# KiCad board FrontEnd_5G.kicad_pcb (continued)
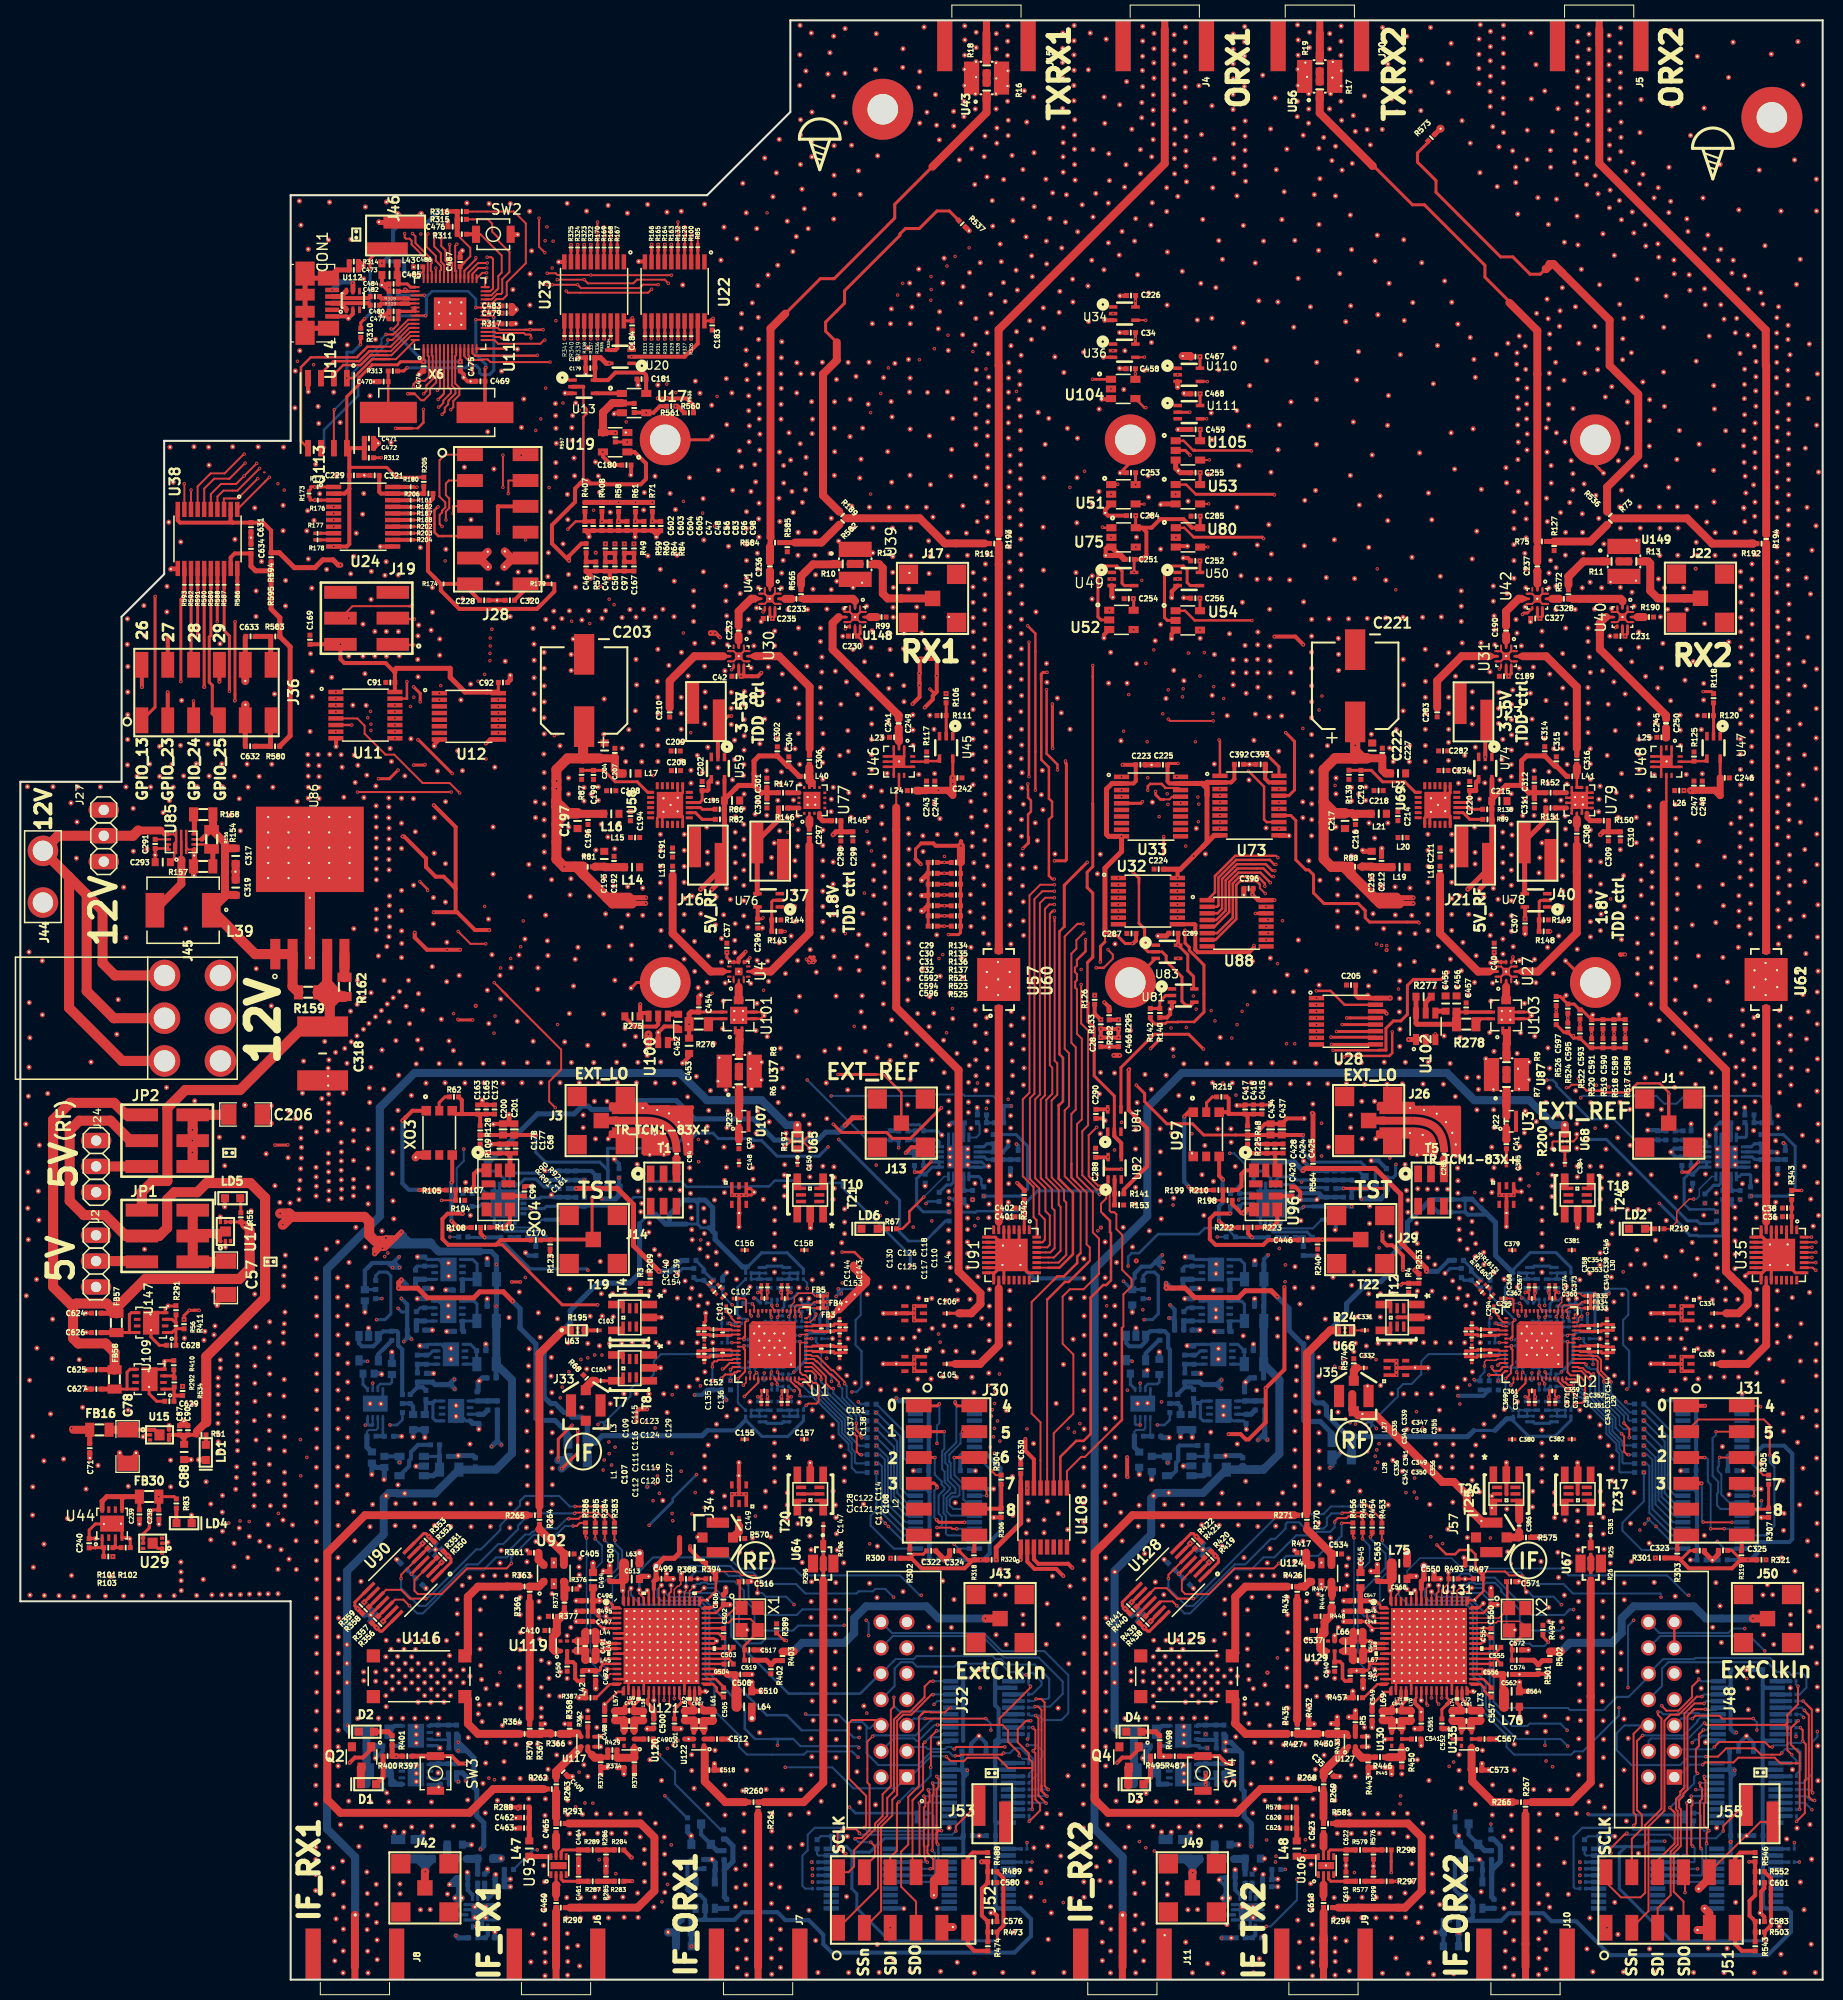
[diagram p0: board, top side]
## Routing (per net, layer and track width the routed paths; a pad name or vN(x,y) marks a point on that pad's centre or on a via; arc(x,y) is an arc through that point) (continued)
+1.8V_#1: length 130.4
  F.RO w0.3: v2(54.23,54.49) 52.88,53.14 v2(52.88,51.07) ; v2(54.79,53.94) 54.79,51.78 53.24,50.23 v2(53.22,50.23)
  F.FR4 w0.15: 75.06,60.65 75.37,60.96 ; 75.06,60.65 75.37,60.96 ; 75.06,60.65 75.06,60.33 ; 75.37,60.96 76.23,60.96
  F.FR4 w0.2: 74.98,60.28 73.06,60.28 72.72,60.62 ; 75.06,60.33 75.06,60.65 ; 79.03,61.39 78.9,61.51 76.9,61.51 76.35,60.96 76.23,60.96 ; 79.03,61.39 79.04,61.37 ; 79.03,61.39 79.03,61.31 v2(79.26,61.08)
  F.FR4 w0.25: 69.95,61.47 70.86,61.47 71.71,60.62 72.43,60.62 ; 72.43,60.62 72.72,60.62 ; 72.43,60.62 72.46,60.65 75.02,60.65 ; 75.02,60.65 75.06,60.65 ; 75.02,60.65 75.39,61.02 76.26,61.02 76.75,61.51 77.52,61.51
  F.FR4 w0.3: 69.95,61.47 69.1,62.32 v2(69.1,65.06)
  B.FR4 w0.2: v2(79.74,58.81) 79.26,59.29 v2(79.26,61.08) 79.26,62.65 77.59,64.32 73.74,64.32 73.32,64.74 72.4,64.74 71.37,63.71 70.37,63.71
  B.FR4 w0.25: 70.37,63.71 69.38,63.71 68.8,64.29 68.8,64.76 v2(69.1,65.06)
  B.FR4 w0.4: 53.93,61.28 50.83,64.38 46.85,64.38 45.07,66.16 43.96,66.16 43.18,66.94 41.09,66.94 40.39,66.24 40.39,66.16 38.24,66.16 v2(37.45,66.95) ; 53.93,61.28 v2(53.93,59.75) ; 53.93,61.28 53.93,60.96 ; 53.93,60.96 v2(54.75,60.14) ; 53.93,60.96 v2(55.1,60.96) ; 56.46,60.16 56.46,59.56 55.75,58.85 53.77,58.85 52.45,60.17 51.61,60.17 50.68,61.1 49,61.1 45.01,65.09 43.29,65.09 42.6,64.4 41.49,64.4 40.87,65.02 40.87,65.09 38.03,65.09 v2(37.13,65.99) ; 56.46,60.16 56.46,60.76 ; 56.46,60.16 57.17,60.87 v2(57.17,61.39) ; 56.46,60.76 v2(56.46,61.4) ; 56.46,60.76 56.13,60.76 v2(55.77,61.12) ; 53.1,58.41 51.46,58.41 50.29,59.58 49.6,59.58 46.65,62.53 46.65,62.52 46.65,62.69 45.82,63.52 45.02,63.52 44.45,62.95 v2(38.45,62.95) 38.22,62.72 v2(37.69,62.72) ; 53.1,58.41 v2(53.27,58.24) ; 53.1,58.41 53.1,57.22 v2(53.07,57.19)
  B2.RO w0.15: 78.73,61.61 78.73,60.31
  B2.RO w0.2: 69.52,63.78 69.2,63.78 68.95,64.03 68.95,64.91 69.09,65.05 ; 78.73,60.31 79.74,59.3 v2(79.74,58.81)
  B2.RO w0.3: v2(37.13,65.99) 37.49,65.63 38.03,65.63
  B2.RO w0.4: v2(37.69,62.72) 38.03,63.06 R53.2 ; v2(38.45,62.95) 38.03,63.37 R53.2 ; v2(37.45,66.95) 38.03,66.37 R53.2
  B2.RO w0.79: v2(52.88,51.07) 52.89,51.06 R98.2 53.84,50.85 v2(53.22,50.23)
+1.8V_#2: length 91.3
  F.FR4 w0.2: 154.6,60.47 v2(154.6,60.49)
  F.FR4 w0.25: v2(144.55,65.06) 144.25,65.06 143.91,64.72 143.91,64.21 144.42,63.7 146.75,63.7 147.12,64.07 147.12,64.16 147.71,64.75 148.48,64.75 148.96,64.27 150.7,64.27 151.31,63.66 151.31,62.29 151.69,61.91 153.5,61.91 154.6,60.81 154.6,60.47
  F.FR4 w0.3: v2(130.15,60.83) 131.54,60.83 131.96,61.25 v2(132.08,61.25)
  B.FR4 w0.3: v2(130.26,55.13) 130.26,56.33 129.81,56.78 129.81,59.05 ; v2(130.71,54.74) 130.7,54.75 130.7,59.05 ; v2(131.25,54.61) 131.25,59.76 132.32,60.83 ; v2(132.08,61.25) 132.08,60.98 132.55,60.51 132.77,60.51
  B.FR4 w0.4: v2(113.02,66.31) 113.22,66.11 116.09,66.11 116.46,66.48 118.3,66.48 118.67,66.11 120.65,66.11 122.44,64.32 122.44,64.31 122.63,64.12 126.95,64.12 128.46,62.61 128.46,62.07 129.28,61.25 ; 129.28,61.25 129.28,61.25 ; 129.28,61.25 129.27,61.25 ; v2(129.2,60.28) 129.2,61.18 129.27,61.25 ; 129.27,61.25 129.68,60.84 ; v2(129.72,60.15) 129.72,60.8 129.68,60.84 ; 129.68,60.84 129.69,60.83 v2(130.15,60.83) ; v2(112.91,65.03) 115.89,65.03 116.54,64.38 118.04,64.38 118.69,65.03 120.62,65.03 120.62,64.91 124.47,61.06 126.01,61.06 126.74,60.33 127.68,60.33 128.96,59.05 132.52,59.05 132.77,59.3 132.77,60.3 ; 132.32,60.83 132.77,60.38 132.77,60.3 ; 132.77,60.3 132.77,60.51 132.77,60.44 v2(133.27,60.94) ; 132.77,60.3 v2(132.77,61.13)
  B2.RO w0.1: 144.4,64.91 144.41,64.92 FB37.1
  B2.RO w0.2: v2(144.55,65.06) 144.4,64.91 144.4,64.04 144.65,63.79 144.98,63.79 ; v2(154.6,60.49) 154.6,60.47 154.6,61.35 154.33,61.62 FB42.2
  B2.RO w0.4: v2(113.02,66.31) 113.47,65.86 113.47,64.73 113.17,65.03 v2(112.91,65.03)
  B2.RO w0.5: R404.2 113.47,64.73 ; v2(128.74,50.33) 128.94,50.53 R533.2 129.29,51.33 v2(129.8,51.84)
+1.8V_PLL_#1: length 147.3
  F.RO w0.3: v2(72.11,66.99) 72.11,66.99 ; v2(48.3,68.58) v2(49.15,68.58)
  F.FR4 w0.2: 80.18,67.14 79.81,66.77 79.81,65.51 79.64,65.34 78.93,65.34 v2(78.8,65.47) 78.8,68.64 78.02,69.42 ; v2(81.74,57.77) 80.95,57.77 80.76,57.58 77.51,57.58 77.21,57.88 v2(76.07,57.88) ; 70.71,67.32 71.04,66.99 v2(72.11,66.99)
  F.FR4 w0.25: 49.13,69.53 v2(49.64,69.02) 49.13,69.53 ; 49.13,69.53 45.85,69.53 45.98,69.53 44.23,71.28 ; 80.41,67.88 80.41,67.88
  F.FR4 w0.3: 78.02,69.42 76.22,69.42 75.52,68.72 73.46,68.72 73.08,69.1 71.61,69.1 70.71,68.2 ; 40.02,68.58 38.42,68.58 37.43,69.57 36.99,69.57 v2(36.58,69.98) ; 40.02,68.58 39.76,68.84 39.76,69.07 ; 40.02,68.58 v2(48.3,68.58) ; 66.67,72.49 66.24,72.06 65.13,72.06 64.3,72.89 61.39,72.89 61.04,72.54 61.04,72.44 ; 66.67,72.49 66.69,72.51 ; 66.67,72.49 66.67,72.5 v2(66.88,72.71) ; 40.22,69.49 40.56,69.83 44.6,69.83 44.79,69.65 ; v2(37.28,69.99) 37.28,70.99 v2(37.23,71.04) 37.53,70.74 37.53,70.24 ; v2(37.28,69.99) 36.59,69.99 v2(36.58,69.98) ; v2(37.28,69.99) 37.6,70.31 37.96,70.31 ; v2(37.28,69.99) 37.53,70.24 ; 37.53,70.24 37.53,70.31 ; 39.72,68.81 38.51,68.81 37.56,69.76 36.8,69.76 v2(36.58,69.98) ; 80.41,67.37 v2(80.19,67.15) 80.46,67.42 v2(80.71,67.42) 80.41,67.73 v2(80.41,67.9) 80.41,67.37
  F.FR4 w0.4: 48.66,69.07 v2(49.15,68.58) ; 48.66,69.07 45.36,69.07 44.79,69.65 ; 48.66,69.07 v2(49.15,68.58) ; v2(49.15,68.58) 49.16,68.58 ; v2(49.15,68.58) 49.16,68.58 ; v2(49.64,69.02) 49.2,68.58 49.16,68.58 ; 40.22,69.49 39.8,69.07 38.62,69.07 37.7,69.99 v2(37.28,69.99) ; 70.71,68.2 70.71,67.32 ; 80.41,67.88 80.07,67.88 79.39,68.56 78.8,68.56 78.79,68.55 78.79,68.65 ; v2(37.23,71.04) 37.96,70.31
  F.FR4 w0.5: 61.04,72.44 51.84,72.44 49.64,70.24 v2(49.64,69.02) ; 44.23,71.28 40.38,71.28 39.41,70.31 37.96,70.31
  B.FR4 w0.3: v2(66.88,72.71) 66.66,72.93 66.66,73.82 66.79,73.95 67.5,73.95 67.67,73.78 67.88,73.78 67.88,73.07 68.07,73.07 69.36,71.78 69.36,70.31 68.72,69.67 68.72,69.38 71.11,66.99 v2(72.11,66.99)
  B2.RO w0.2: 75.51,58.29 75.87,57.93 ; 82.69,61.79 82.1,62.37 82.1,64.83 82.61,65.33 82.61,67.64 82.36,67.89 80.4,67.89 ; 82.69,61.79 82.69,58.25 82.21,57.77 ; 82.69,61.79 82.69,58.25 82.21,57.77 ; 82.21,57.77 v2(81.74,57.77) 82.21,57.77 ; 80.2,67.16 80.18,67.14 ; v2(76.07,57.88) 75.94,57.88 FB13.2
  B2.RO w0.25: v2(78.8,65.47) 78.6,65.27 FB1.1 ; 80.89,67.89 80.71,67.71 v2(80.71,67.42)
  B2.RO w0.3: 80.4,67.89 80.4,67.9 ; 80.4,67.9 80.7,67.59 80.7,67.41 ; 80.4,67.9 80.4,67.36 80.2,67.16 ; v2(72.11,66.99) 72.27,66.99 72.74,66.52 ; 78.59,64.92 78.59,64.32 ; R40.1 33.87,67.83 C86.1 ; v2(80.19,67.15) 80.46,67.42 v2(80.71,67.42)
  B2.RO w0.4: 34.23,70.07 33.86,69.7 C86.1 ; 34.23,70.07 34.14,69.98 34.6,70.44 ; 34.23,70.07 34.6,70.44 ; 36.84,70.43 36.73,70.54 v2(37.23,71.04) ; 36.84,70.43 36.84,70.44 36.66,70.44 ; 36.84,70.43 v2(37.28,69.99) 37.28,70 ; 34.6,70.44 36.66,70.44 ; 34.6,70.44 36.12,70.44 36.57,69.99 ; 36.66,70.44 36.66,70.26 36.92,70 37.28,70 ; 36.57,69.99 37.27,69.99 37.28,70 ; 36.57,69.99 v2(36.58,69.98)
+1.8V_PLL_#2: length 168.2
  F.RO w0.25: v2(157.93,58.03) 157.93,58.04
  F.RO w0.3: 134.88,72.18 134.59,72.18
  F.RO w0.4: 134.88,72.18 135.91,71.15 v2(135.91,69.76) ; v1(133.9,73.46) 133.9,72.61 134.33,72.18 134.81,72.18 ; v2(118.77,53.62) 119.95,53.62 120.47,53.1 120.74,53.1 122.42,54.78 v2(122.42,58.13) 124.26,59.97 v2(124.26,68.08)
  F.FR4 w0.2: v2(155.64,67.15) 155.27,66.78 155.27,65.82 154.91,65.46 v2(154.06,65.46) ; v2(157.93,58.03) 157.95,58.06 157.92,58.09 153.59,58.09 153.45,57.95 152.46,57.95 v2(152.01,57.5)
  F.FR4 w0.3: 113.95,67.58 113.59,67.22 111.92,67.22 111.46,67.68 108.82,67.68 108.45,68.05 108.45,68.66 108.45,68.65 v2(108.44,68.65) ; 135.73,68.99 132.58,68.99 130.88,67.29 125.02,67.29 ; 135.73,68.99 137.13,68.99 137.25,68.87 138.6,68.87 139.76,70.03 142.81,70.03 144.44,68.4 145.45,68.4 146.22,67.63 ; 135.73,68.99 135.91,69.17 ; 146.22,67.63 146.22,68.2 147.08,69.06 148.05,69.06 148.47,68.64 149.66,68.64 150.45,69.43 153.48,69.43 154.37,68.55 154.42,68.6 ; 146.22,67.63 146.84,67.01 ; 146.22,67.63 146.84,67.01 ; 146.84,67.01 v2(147.57,67.01) 146.84,67.01 ; v2(155.86,67.91) 156.16,67.61 v2(156.16,67.41) 155.9,67.15 v2(155.64,67.15) 155.86,67.37 v2(155.86,67.91) ; v2(155.86,67.91) 155.28,68.49 154.42,68.49 154.42,68.6 ; v2(154.06,65.46) 154.06,68.24 154.42,68.6
  F.FR4 w0.4: 125.02,67.29 123.78,66.05 120.48,66.05 119.73,66.8 115.8,66.8 115.02,67.58 113.95,67.58 ; 135.91,69.17 v2(135.91,69.76)
  B.FR4 w0.4: v2(112.25,69.89) 112.56,69.58 112.86,69.58 113.85,68.59 114.13,68.59 115.65,67.07 120.5,67.07 121.13,67.7 123.88,67.7 v2(124.26,68.08) 124.32,68.14 v2(124.32,68.6) ; v2(112.25,71.23) 113.18,71.23 114.72,69.69 115.77,69.69 115.77,69.91 116.8,70.94 118.84,70.94 120.09,69.69 123.79,69.69 v2(124.36,70.26) 124.36,68.64 v2(124.32,68.6) ; v2(112.39,70.53) 113.06,70.53 114.56,69.03 116.58,69.03 116.58,68.98 116.79,68.77 124.15,68.77 v2(124.32,68.6)
  B2.RO w0.1: v2(154.06,65.46) 154.05,65.45 FB31.1 FB32.1
  B2.RO w0.2: 158.15,58.26 158.15,61.8 157.56,62.39 157.56,64.84 158.06,65.34 158.06,67.66 157.81,67.91 v2(155.86,67.91) ; 158.15,58.26 v2(157.93,58.03) 158.15,58.26 ; v2(152.01,57.5) 152.01,57.98 151.69,58.3 FB43.2 150.97,58.3
  B2.RO w0.25: 155.86,67.9 v2(155.86,67.91)
  B2.RO w0.3: v2(147.57,67.01) 147.72,67.01 FB38.2 ; 155.85,67.9 v2(155.86,67.91) 155.85,67.9 ; 155.85,67.9 155.85,67.36 v2(155.64,67.15) 155.9,67.41 v2(156.16,67.41) 156.16,67.6 155.86,67.9 ; v2(154.06,65.46) 154.05,65.45 154.05,64.32 ; R568.1 109.31,67.83 C617.1 109.27,67.82 v2(108.44,68.65) ; 109.3,68.72 109.3,68.79
  B2.RO w0.4: v2(112.39,70.53) 112.36,70.56 111.57,70.56 111.58,70.56 ; 111.58,70.56 111.64,70.5 ; 111.58,70.56 v2(112.25,71.23) ; 111.64,70.5 111.64,70.6 111.12,70.08 110.2,70.08 109.54,69.42 109.54,68.96 109.3,68.72 C617.1 ; 111.64,70.5 v2(112.25,69.89)
+1.8V_SC1905_#1: length 151.7
  F.RO w0.15: 56.93,35.58 56.93,36.22 ; 57.18,30.86 57.18,31.2 57.52,31.54 U121.11
  F.RO w0.2: 56.75,35.72 57.33,35.14 57.76,35.14 57.86,35.04 U121.4 ; 56.93,36.22 56.93,35.58
  F.RO w0.25: C506.2 69.12,36.8 68.36,36.04 U121.47 ; 56.94,30.38 56.6,30.38 C492.1 ; 56.94,30.38 55.91,30.38 55.89,30.38 ; 56.94,30.38 57.02,30.46 57.02,30.7 57.18,30.86 ; 56.93,37.23 57.82,37.23 58.19,36.86 58.19,36.54 U121.1 ; 61.65,27.45 61.65,27.57 61.77,27.69 61.77,28.4 U121.22 ; 56.75,35.72 56.75,36.02 56.94,36.21 56.93,36.22 ; U121.11 57.52,31.54 57.18,31.2 57.18,31.04 U121.12
  F.RO w0.4: 62.28,26.58 62.24,26.58 61.65,27.17 61.65,27.45
  F.RO w0.5: C500.1 62.27,25.63
  F.RO w0.51: C506.2 69.17,36.86 69.75,36.86 ; C492.1 56.48,30.38 55.33,30.38 L42.1 ; C496.2 56.3,37.17 56.3,36.29 C495.1 56.93,36.22 ; C496.2 56.3,37.31 56.3,38.51 C494.2 ; C496.2 56.92,37.24 56.93,37.23 ; 62.27,25.63 62.27,26.31 62.28,26.32 62.28,26.58
  F.RO w0.76: 71.91,25.69 71.9,25.7 L64.1
  F.RO w0.79: L63.1 60.88,40.94 60.88,41.93
  B.FR4 w0.15: 55.91,30.38 55.91,35.32 56.81,36.22 56.93,36.22
  B.FR4 w0.4: 56.81,36.22 56.93,36.22 56.93,37.24
  B.FR4 w0.5: 62.89,25.69 62.04,26.54 59.85,26.54 ; 54.89,28.87 55.39,29.37 57.02,29.37 57.67,28.72 ; 45.24,8.71 43.94,7.41 43.94,6.61 42.82,5.49 v2(42.82,4.33) ; 45.24,8.71 v2(45.24,12.82) 45.24,8.71
  B.FR4 w0.79: 59.85,26.54 57.67,28.72 ; 56.6,36.01 56.6,36.91 56.94,37.25 ; 56.6,36.01 56.81,36.22 ; 56.6,36.01 56.38,35.8 56.63,35.55 56.63,36.04 55.91,35.32 55.91,29.89 53.94,27.92 53.94,26.99 53.93,26.99 52.6,25.66 52.6,24.94 ; 69.75,36.86 69.75,36.89 69.17,37.47 69.02,37.47 68.71,37.78 68.71,37.79 68.28,38.22 68.28,39.41 67.11,40.58 65.62,40.58 64.95,41.25 64.95,41.93 ; 52.6,24.94 52.6,24.9 ; 52.6,24.94 52.6,24.2 52.57,24.17 ; 43.59,22.35 43.19,22.35 v2(43.04,22.5) 43.04,23.32 v2(43.05,23.33) ; 43.59,22.35 43.59,22.79 v2(43.05,23.33) ; 43.59,22.35 44.93,22.35 44.03,22.35 v2(43.05,23.33) ; 63.26,25.69 62.8,25.69 62.21,26.28 60.14,26.28 59.88,26.54
  B.FR4 w1: 69.77,26.7 69.77,36.84 69.75,36.86 ; 69.77,26.7 69.42,26.35 ; 69.77,26.7 68.76,25.69 68.75,25.69 ; 68.75,25.69 62.89,25.69 ; 68.75,25.69 71.91,25.69 ; 56.94,37.25 56.94,38.1 58.86,40.02 58.86,41.36 59.43,41.93 64.95,41.93 ; 48.12,22.17 48,22.29 ; 48.12,22.17 47.93,22.36 46.68,22.36 46.67,22.35 44.93,22.35 ; 48.12,22.17 51.48,22.17 51.79,22.48 51.79,24.14 51.85,24.2 52.6,24.2
  B2.RO w0.5: v2(43.05,23.33) 43.05,23.95 R47.2 42.88,22.66 v2(43.04,22.5) 43.09,22.5 ; v2(43.05,23.33) 44.15,22.23 ; v2(43.05,23.33) 43.09,23.29 43.09,22.5 ; v2(42.82,4.33) 43.04,4.11 R398.2 ; 44.15,22.23 44.59,21.79 44.59,18.9 44.87,18.62 44.87,16.1 45.56,15.41 45.56,13.14 v2(45.24,12.82) ; 44.15,22.23 43.88,22.5 43.09,22.5
+1.8V_SC1905_#2: length 136.4
  F.RO w0.2: U131.4 132.93,35.04 132.38,35.59 132.38,36.22
  F.RO w0.25: 137.09,27.45 137.09,27.58 137.22,27.71 U131.22 ; C560.2 144.57,36.8 143.81,36.04 U131.47 ; 132.38,37.24 133.26,37.24 133.66,36.84 133.66,36.54 U131.1 ; 132.63,31.05 132.63,31.2 132.97,31.54 U131.11 ; 132.63,31.05 133.11,31.05 133.12,31.04 U131.12 ; 132.63,31.05 132.63,30.89 132.59,30.85 132.59,30.59 132.38,30.38 132.04,30.38 C543.1 ; 147.37,25.69 147.37,26.8
  F.RO w0.4: 137.71,26.32 137.71,26.56 137.09,27.18 137.09,27.45
  F.RO w0.51: C560.2 144.63,36.85 145.21,36.85 ; C547.2 131.74,37.3 C545.2 ; C547.2 132.38,37.24 ; C547.2 131.75,37.17 131.75,36.28 C546.1 ; 131.68,36.23 C546.1 ; C546.1 132.38,36.22 ; C543.1 131.95,30.37 130.78,30.37 L65.1 ; 137.71,26.56 C551.1
  F.RO w0.76: 147.37,26.8 L76.1 ; 136.32,41.94 136.32,40.94 L75.1
  B.FR4 w0.4: 128.04,24.94 127.45,24.35 127.45,24.13 ; 132.04,35.88 132.38,36.22 132.38,37.24
  B.FR4 w0.5: 130.83,29.37 132.46,29.37 133.11,28.72 ; 143.72,38.21 145.08,36.85 145.21,36.85 ; 128.04,25.56 128.04,24.94 ; 118.62,22.36 118.48,22.5 118.48,23.32 118.49,23.33 119.46,22.36 ; 132.04,37.02 132.42,37.02 132.63,37.23 ; v2(121,13.11) 120.99,13.11 120.44,12.56 120.44,8.49 117.66,5.71 117.66,4.16 117.73,4.09 v2(118.1,4.09)
  B.FR4 w0.79: 136.32,41.94 140.4,41.94 140.4,41.25 141.07,40.58 142.55,40.58 143.72,39.41 143.72,38.21 144.46,37.47 144.59,37.47 145.21,36.85 ; 128.04,24.94 128.04,24.19 128.04,25.65 ; 128.04,25.65 129.51,27.12 129.37,27.26 129.37,27.9 129.6,28.13 129.6,28.14 131.36,29.9 131.36,35.33 132.04,36.01 132.04,35.7 ; 128.04,25.65 128.04,25.56 ; 137.71,26.32 137.49,26.54 135.29,26.54 133.11,28.72 ; 132.04,35.7 132.04,35.88 ; 132.04,35.7 132.04,37.02 132.38,37.36 132.38,37.24 132.38,38.1 ; 127.29,24.19 127.23,24.13 127.45,24.13 ; 118.62,22.36 120.37,22.36 119.46,22.36
  B.FR4 w1: 132.38,38.1 133.7,39.42 133.7,39.43 135.29,41.02 135.29,41.94 136.32,41.94 ; 137.71,26.32 138.34,25.69 144.2,25.69 ; 144.2,25.69 145.21,26.7 145.21,36.85 ; 144.2,25.69 147.37,25.69 ; 127.23,24.13 127.23,22.49 126.91,22.17 123.56,22.17 123.37,22.36 120.37,22.36 ; 127.29,24.19 128.04,24.19
  B2.RO w0.4: R499.2 119.5,4.1 119.04,4.1
  B2.RO w0.5: v2(118.1,4.09) 118.11,4.1 119.04,4.1 ; 119.75,22.56 120.06,22.26 120.06,18.75 120.31,18.5 120.31,16.02 121.01,15.32 121.01,13.12 v2(121,13.11) ; 119.75,22.56 119.69,22.5 118.48,22.5 118.32,22.66 R348.2 118.49,23.95 118.49,23.33 118.99,23.33 119.75,22.56
+1.25V_PLL_#1: length 131.8
  F.RO w0.2: v2(73.13,59.63) 73.12,59.63 73.12,59.63
  F.RO w0.3: FB3.1 FB5.1 79.31,67.21 79.33,67.23 v2(79.33,67.41) ; FB3.1 FB4.1 79.33,66.61 v2(79.33,66.61) ; FB3.1 v2(79.33,66.01)
  F.RO w0.4: v2(61.61,56.06) 60.83,56.06 60.58,55.81 v2(60.58,54.81)
  F.FR4 w0.2: 62.56,55.89 62.53,55.89
  F.FR4 w0.25: 65.31,60.92 70.28,60.92 70.98,60.22 72.52,60.22 72.83,59.91 ; 72.83,59.91 72.83,59.91 73.11,59.63 v2(73.13,59.63) ; 72.83,59.91 73.12,59.62
  F.FR4 w0.4: 65.31,60.92 62.56,58.17 62.56,56.87 ; v2(62.4,54.22) 62.56,54.38 62.56,56.87 ; 62.53,55.89 v2(61.43,54.79) ; 62.56,56.87 61.75,56.06 v2(61.61,56.06)
  B.FR4 w0.2: v2(62.43,48.76) 63.28,49.61 63.28,51.74 63.17,51.85 ; v2(60.58,54.81) 59.6,53.83 59.6,51.56 61.63,49.53 v2(61.63,48.44)
  B.FR4 w0.25: v2(76.03,59.71) 76.01,59.69 76.01,59.33 75.71,59.03 73.5,59.03 73.13,59.4 v2(73.13,59.63)
  B.FR4 w0.4: v2(61.43,54.79) 60.37,53.73 60.37,51.69 61.8,50.26 v2(62.49,50.26) 62.51,50.28 ; 63.27,49.61 62.73,49.61 v2(62.63,49.51) 62.64,49.51 ; 63.27,49.61 63.27,49.31 ; 63.27,49.61 63.28,49.61 ; 63.17,50.94 63.17,51.85 62.4,52.62 v2(62.4,54.22) ; 63.17,50.94 63.27,50.84 63.27,49.31 ; 63.17,50.94 62.51,50.28 ; 63.27,49.31 62.72,48.76 62.42,48.76 ; 63.27,49.31 63.07,49.51 62.64,49.51 ; 62.51,50.28 62.51,49.62 62.64,49.49 ; 62.64,49.49 62.64,49.51 ; 62.64,49.49 62.64,49.01 62.42,48.79 ; 62.42,48.79 62.42,48.76 ; 62.42,48.79 62.42,49.22 62.26,49.38 62.26,49.48 ; 62.42,48.76 v2(62.43,48.76) ; v2(60.58,54.81) 59.6,53.83 59.6,51.24 61.63,49.21 v2(61.63,48.44)
  B.FR4 w0.5: v2(62.63,49.51) 62.6,49.48 61.56,49.48 ; 61.56,49.48 59.81,49.48 59.18,48.85 55.36,48.85 54.73,49.48 49.11,49.48 47.27,51.32 v2(47.27,52.56) ; 61.56,49.48 61.71,49.48 ; 61.71,49.48 v2(62.49,50.26) ; 61.71,49.48 v2(62.43,48.76) ; 60.42,47.73 48.33,47.73 46.33,49.73 v2(46.33,52.4) ; 60.42,47.73 61.54,47.73 ; 60.42,47.73 60.92,47.73 v2(61.63,48.44) ; v2(62.82,47.8) 62.75,47.73 61.54,47.73 ; 61.54,47.73 61.55,47.73 v2(62.2,47.08)
  B2.RO w0.15: 75.5,59.52 75.82,59.52 76.02,59.72 ; 73.12,59.62 73.1,59.59 73.1,58.92
  B2.RO w0.2: 75.79,66.91 76.35,67.48 79.28,67.48 ; 75.5,58.92 75.5,59.52 ; 74.29,65.72 74.51,65.72 74.59,65.79 74.91,65.79
  B2.RO w0.25: 79.32,67.43 79.28,67.48 ; 75.79,66.91 75.4,66.91 75.08,66.6 75.08,66.6 75.08,66.12 74.92,65.96 FB10.2
  B2.RO w0.3: 76.02,59.7 76.47,60.15 ; 76.47,60.15 76.47,60.15 76.03,59.71 v2(76.03,59.71) ; 76.47,60.15 77.2,60.88 77.2,63.18 77.57,63.55 79.1,63.55 79.32,63.77 79.32,67.45 79.32,67.4 ; 46.89,52.96 46.89,53.81
  B2.RO w0.5: 46.89,52.96 v2(46.33,52.4) ; v2(47.27,52.56) 46.89,52.94 R50.2 ; v2(61.63,48.44) 61.63,48.45
+1.25V_PLL_#2: length 113.9
  F.RO w0.25: v2(154.78,67.44) 154.77,67.43 ; 154.77,67.24 154.75,67.22
  F.RO w0.3: 154.77,67.43 154.77,67.24 ; 154.75,67.22 154.36,67.22 154.36,66.96 154.36,66.96 FB33.1 v2(154.79,66.01) ; v2(154.77,66.61) 154.79,66.61 154.37,66.61 FB34.1
  F.FR4 w0.2: 137.85,55.66 137.85,58.01 138.02,58.18 ; v2(151.48,59.73) 150.79,59.04 148.97,59.04 148.58,59.43 v2(148.58,59.63)
  F.FR4 w0.3: 147.28,60.93 147.72,60.49 150.1,60.49 150.86,59.73 v2(151.48,59.73)
  F.FR4 w0.4: 146.78,60.93 147.28,60.93 v2(148.58,59.63) ; 138.02,58.18 140.77,60.93 142.43,60.93 ; 137.85,55.66 v2(137.85,54.23) ; 137.85,55.66 137.95,55.76 137.95,58.11 ; 137.85,55.66 136.98,54.79 v2(136.87,54.79) ; 137.85,56.44 v2(137.24,55.83)
  F.FR4 w0.5: 142.43,60.93 142.99,61.49 146.08,61.49 146.64,60.93 146.78,60.93
  B.FR4 w0.2: v2(136.87,54.79) 136.87,50.67 137.42,50.12 137.42,49.33 137.39,49.3 v2(137.06,49.3) ; v2(137.27,47.33) 138,48.06 138,48.62 137.85,48.77 v2(137.85,54.23) ; v2(136.89,49.9) 135.51,51.28 135.51,55.04 136.3,55.83 v2(137.24,55.83)
  B.FR4 w0.3: v2(136.89,49.9) 136.31,49.32 136.31,49.4 136.31,49.3 ; v2(137.03,47.92) 136.44,47.33 136.3,47.33 ; v2(136.21,47.88) 135.66,47.33 135.51,47.33 ; v2(122.59,53.06) 122.59,53.02
  B.FR4 w0.5: 122.59,53.02 124.44,51.17 129.4,51.17 131.27,49.3 v2(137.06,49.3) ; v2(137.27,47.33) 130.8,47.33 128.71,49.42 124.38,49.42 121.67,52.13 v2(121.67,53.04)
  B2.RO w0.15: v2(151.48,59.73) 151.28,59.53 FB45.2 ; v2(148.58,59.63) 148.56,59.61 FB36.1
  B2.RO w0.2: FB45.2 FB44.2
  B2.RO w0.25: v2(154.78,67.44) 154.73,67.49 151.93,67.49 151.21,66.77 150.7,66.77 150.37,66.44 150.37,66.37 ; 150.37,66.37 FB40.2 150.41,65.74 FB39.2 ; 150.37,66.37 150.37,65.81
  B2.RO w0.3: 122.33,53.92 122.33,53.7 ; v2(151.48,59.73) 152.63,60.88 152.63,63.27 153.02,63.66 154.54,63.66 154.79,63.91 v2(154.79,66.01) 154.79,66.59 v2(154.77,66.61) 154.78,66.62 v2(154.78,67.44)
  B2.RO w0.5: 122.33,53.7 v2(121.67,53.04) ; v2(122.59,53.06) 122.33,53.32 R571.2
+1.33V_#1: length 32
  F.RO w0.5: v2(48.39,66.69) 47.47,67.61 45.16,67.61 44.57,67.02 40.01,67.02 39.06,67.97 37.2,67.97 ; 37.2,67.97 v2(37.18,67.97) ; 37.2,67.97 37.2,68.52 v2(37.46,68.78)
  B2.RO w0.5: v2(37.46,68.78) 37.95,68.29 R52.2 37.92,67.97 v2(37.18,67.97) ; v2(48.39,66.69) 49.12,65.96 49.12,64.13 49.11,64.13 49.11,64.05 50.68,62.48 50.68,55.15 50.86,54.97 52.55,54.97 53.82,53.7 R93.2
+1.33V_#2: length 33
  F.RO w0.4: 112.64,68.34 112.65,68.33 112.65,67.99 ; 112.65,67.99 112.65,68 ; 112.65,67.99 112.63,68.01 v2(112.63,68.46)
  F.RO w0.5: v2(123.55,67.13) 122.97,67.71 120.41,67.71 119.74,67.04 115.44,67.04 114.5,67.98 112.65,67.98 112.65,68 112.65,67.99 v2(112.64,67.99)
  B2.RO w0.4: 112.64,67.98 112.63,67.97 112.63,67.99 ; R409.2 113.01,67.94 112.64,68.31
  B2.RO w0.5: v2(123.55,67.13) 124.72,65.96 124.72,63.8 126.03,62.49 126.16,62.49 126.16,54.97 126.27,54.86 127.77,54.86 128.95,53.68 R532.2 ; v2(112.64,67.99) 112.63,67.99 113.34,67.99 R409.2 113.34,67.96 113.13,67.96 v2(112.63,68.46) ; 112.64,67.98 112.64,68.34
+3.3V_#1: length 66.6
  B.FR4 w0.3: 57.39,52.39 57.39,52.2 ; v2(42.66,59.01) 42.9,59.01 ; 56.87,50.51 56.87,50.58 56.9,50.58
  B.FR4 w0.5: 57.41,50.58 55.22,50.58 52.98,52.82 48.96,52.82 45.2,56.58 44.37,56.58 43.93,57.03 43.74,57.03 v2(42.71,58.05) ; 57.41,50.58 57.5,50.58 ; 57.41,50.58 v2(58.12,50.58) ; 56.9,50.58 v2(57.4,51.08) ; 56.87,50.51 v2(57.29,50.09) ; 42.9,59.01 43.81,58.1 45.12,58.1 48.48,54.74 51.96,54.74 51.96,54.73 52.52,54.73 54.91,52.34 v2(58.46,52.34) ; 57.39,52.39 v2(57.85,52.85) ; v2(57.89,51.7) 57.39,52.2
  B2.RO w0.2: 57.22,54.79 57.43,54.79 59.97,57.33 59.97,58.02 60.5,58.55 61.32,58.55 62.27,59.5 62.27,60.78 62.97,61.48 69.93,61.48 ; 57.22,54.79 57.01,54.79 v2(56.79,54.57) ; 57.22,54.79 57.24,54.79 57.37,54.66 ; 57.37,54.66 v2(57.86,54.17) ; 57.37,54.66 57.37,54.36 v2(57.14,54.13)
  B2.RO w0.4: 39.03,58.23 R54.2 ; 39.03,58.23 39.56,58.23 R428.2 ; 39.03,58.23 R425.2 ; 41.44,58.48 42.28,58.48
  B2.RO w0.5: v2(42.66,59.01) 42.13,58.48 40.78,58.48 40.53,58.73 R54.2 ; 42.28,58.48 v2(42.71,58.05)
+3.3V_#2: length 66.2
  B.FR4 w0.5: 132.64,50.86 131.94,50.86 130.03,52.77 124.71,52.77 122.51,54.97 121.63,54.97 118.52,58.08 v2(118.04,58.08) ; 132.64,50.86 v2(133.42,50.86) ; 132.64,50.86 132.64,50.9 v2(133.19,51.45) ; 132.64,50.86 132.64,50.77 v2(133.19,50.22) ; 132.39,52.68 131.79,52.68 129.81,54.66 124.73,54.66 123.55,55.84 121.98,55.84 118.87,58.95 v2(118.07,58.95) ; 132.39,52.68 132.73,52.68 ; 132.39,52.68 132.45,52.62 v2(132.45,51.9) ; 132.73,52.68 v2(133.57,52.68) ; 132.73,52.68 v2(133.34,52.07)
  B2.RO w0.2: 134.87,56.79 135.41,57.33 135.41,58.02 135.94,58.55 136.76,58.55 137.71,59.5 137.71,60.77 138.43,61.49 R130.2 ; 134.87,56.79 132.88,54.8 132.46,54.8 ; 134.87,56.79 134.85,56.77 ; v2(133.3,54.17) 133.3,54.18 132.82,54.66 ; 132.82,54.66 132.69,54.8 132.46,54.8 ; 132.82,54.66 132.82,54.37 v2(132.58,54.13) ; 132.46,54.8 v2(132.23,54.57)
  B2.RO w0.4: 114.47,58.23 115.11,58.23 115.37,57.97 ; 114.47,58.23 R365.2 ; 114.47,58.23 R412.2 ; 117.17,58.49 117.61,58.49
  B2.RO w0.5: R365.2 115.97,58.73 116.21,58.49 117.63,58.49 v2(118.04,58.08) ; 117.61,58.49 v2(118.07,58.95)
+3.3V_CLKGEN_#1: length 97.5
  F.RO w0.3: v2(58.85,78.81) 58.86,78.81 ; v2(66.68,80.4) 66.67,80.4
  F.FR4 w0.3: v2(66.66,82.58) 67.25,83.17 70.12,83.17 70.78,83.83 73.03,83.83 74.23,82.63 80.4,82.63 v2(80.45,82.58) ; v2(66.68,80.4) 66.67,80.39 65.27,80.39 65.12,80.24 61.62,80.24 60.96,80.9 60.38,80.9 58.85,79.37 v2(58.85,78.81)
  F.FR4 w0.5: v2(57.17,76.75) 57.17,75.01 56.96,74.8 45.08,74.8 42.42,72.14 42.42,71.96 36.66,71.96 35.81,71.11 v2(35.81,71.08)
  B.FR4 w0.3: v2(66.68,80.4) 66.66,80.42 v2(66.66,82.58)
  B.FR4 w0.5: v2(37.29,50.84) 37.29,51.04 36.57,51.76 36.57,53.65 37.59,54.67 37.59,61.82 36.41,63 36.41,67.21 35.35,68.27 35.35,70.62 v2(35.81,71.08) ; v2(35.81,71.08) 36.12,71.39 v2(36.12,71.42) 35.81,71.11 v2(35.81,71.08)
  B2.RO w0.25: 87.31,72.6 88.97,72.6 89.78,73.41
  B2.RO w0.3: 89.78,73.41 90.94,74.57 R201.1 ; v2(80.45,82.58) 86.43,76.6 86.43,73.48 87.31,72.6
  B2.RO w0.4: FB29.1 58.85,77.84 v2(58.85,78.81) ; C66.1 35.79,51.43 37.26,51.43
  B2.RO w0.5: v2(57.17,76.75) 58.51,76.75 58.86,77.1 FB29.1 ; v2(37.29,50.84) 37.26,50.87 37.26,51.43
+3.3V_CLKGEN_#2: length 98.7
  F.FR4 w0.2: 153.88,82.58 v2(153.86,82.6)
  F.FR4 w0.3: v2(135.23,80.13) 135.22,80.13 135.22,80.86 135.19,80.89 135.19,83.22 136,84.03 138.33,84.03 139.68,82.68 141.61,82.68 141.71,82.58 149.08,82.58 149.19,82.47 153.42,82.47 153.55,82.6 v2(153.86,82.6)
  F.FR4 w0.5: v2(133.57,71.93) 123.82,71.93 v2(123.76,71.87)
  B.FR4 w0.5: v2(112.8,50.8) 112.8,50.91 112.06,51.65 112.06,53.46 113.21,54.61 113.21,61.81 112.15,62.87 112.15,67.06 110.86,68.35 110.86,71.15 111.95,72.24 123.44,72.24 123.76,71.92 v2(123.76,71.87) ; v2(131.83,76.74) 131.83,73.67 v2(133.57,71.93)
  B2.RO w0.3: 111.23,51.43 C614.1 ; v2(153.86,82.6) 153.88,82.58 155.9,82.58 163.9,74.58 164.84,74.58 165.11,74.31 166.48,74.31 R224.2 ; v2(135.23,80.13) 135.19,80.09 135.19,79.07 134.93,78.81 C432.1
  B2.RO w0.4: FB52.1 134.29,77.84 C432.1 ; 112.7,51.43 111.23,51.43
  B2.RO w0.5: 112.78,50.8 v2(112.8,50.8) 112.8,51.33 112.7,51.43 ; FB52.1 134.3,77.3 133.74,76.74 v2(131.83,76.74)
+3.3V_SC1905_#1: length 291.4
  F.RO w0.15: 66.58,39.4 66.57,39.39 R388.2 ; 62.5,40.66 62.57,40.59 C499.2
  F.RO w0.2: 64.31,26.58 64.32,26.58 64.3,26.56 ; C497.1 56.26,35.18
  F.RO w0.25: 62.27,38.39 62.27,37.18 U121.58 ; 66.57,39.39 66.58,39.4 R394.2 ; 57.44,27.06 57.49,27.06 58.72,28.29 59.28,28.29 U121.17 ; 62.27,27.45 62.27,28.4 U121.23 ; v2(47.13,30.2) 47.14,30.19 ; v2(65.01,27.43) 64.78,27.66 U121.28 ; C497.1 56.55,35.21 57.27,34.49 57.4,34.49 ; 57.4,34.56 57.4,34.55 57.41,34.54 U121.5
  F.RO w0.3: v2(38.44,39.86) 38.44,39.89 U90.4 ; 64.32,26.58 65.01,27.27 v2(65.01,27.43) ; C501.1 64.3,26.56
  F.RO w0.4: v2(65.95,3.28) 65.96,3.27 ; 62.27,38.38 62.27,39.17
  F.RO w0.5: R401.2 R400.2 36.94,21.97 ; 36.94,21.97 37.58,21.97 R397.2 ; 36.94,21.97 v2(36.94,21.93) ; 36.94,21.97 v2(36.94,21.93) ; 36.94,21.97 v2(36.94,21.93)
  F.RO w0.51: 62.27,39.17 62.5,39.4 C499.2 62.5,39.47 62.5,40.66 63.26,41.42 64.28,41.42 64.8,41.94 64.8,43.45 ; 57.44,27.06 C498.1
  F.FR4 w0.15: 62.5,40.66 63.84,40.66
  F.FR4 w0.3: 64.88,27.85 64.88,27.56 v2(65.01,27.43) 65.33,27.11 65.97,27.11
  F.FR4 w0.4: 46.94,25.82 46.45,25.33 46.45,24.22 ; 49.65,27.57 49.88,27.34 51.64,27.34 51.9,27.08 57.42,27.08 57.44,27.06 ; 51.44,30.34 52.15,30.34 53.69,31.88 58.53,31.88 58.58,31.93 ; v2(58.54,10.42) 58.53,10.43 50.91,10.43 50.84,10.5 46.9,10.5 46.73,10.34 ; 64.88,27.85 64.88,28.39 64.68,28.59 62.47,28.59 62.27,28.39 62.27,27.45 ; 65.97,27.11 69.18,27.11 70.22,28.15 70.22,36.13 70.91,36.82 70.91,39.07 69.99,39.99 68.75,39.99 68.15,39.39 66.59,39.39 66.58,39.4 ; 43.94,10.55 43.94,10.63
  F.FR4 w0.46: 62.24,27.46 62.26,27.46
  F.FR4 w0.5: 62.24,27.46 61,27.46 60.61,27.07 57.43,27.07 ; v2(36.94,21.93) 36.98,21.97 41.07,21.97 42.48,20.56 42.48,20.03 v2(43.05,19.46) ; 46.73,10.34 46.19,9.8 44.69,9.8 43.94,10.55 ; 46.19,19.81 46.61,20.23 v2(46.61,19.65) 46.35,19.65 46.19,19.81 ; 46.19,19.81 v2(46.06,19.81) ; 47.58,26.09 48.4,26.92 48.4,27.31 ; 58.56,34.58 58.56,34.49 57.4,34.49 ; v2(47.13,30.2) 47.61,29.72 v2(47.13,30.2)
  F.FR4 w0.51: 66.57,39.4 66.57,40.04 65.95,40.66 59.58,40.66 58.07,39.15 58.07,37.36 58.58,36.85 58.58,34.58 ; 58.58,34.58 58.58,27.07 ; 58.58,34.58 58.56,34.58
  F.FR4 w0.79: 46.45,24.22 46.47,24.22 46.32,24.37 ; v2(43.05,19.46) 43.76,19.46 v2(43.82,19.52) 44.91,20.61 44.91,23.67 45.61,24.37 46.32,24.37 ; 46.32,24.37 46.45,24.24 46.45,25.33 47.21,26.09 48.17,26.09 48.33,26.25 48.33,26.73 48.27,26.78 48.33,26.84 48.33,27.23 48.7,27.6 ; 49.17,27.6 49.16,27.59 ; 49.17,27.6 50.54,27.6 50.12,27.6 50.08,27.64 50.08,29.7 50.72,30.34 51.44,30.34 ; 49.17,27.6 48.7,27.6 ; 48.7,27.6 47.8,28.5 ; 46.61,20.23 46.61,21.97 46.68,22.04 46.68,24.01 ; 47.8,28.5 48.18,28.12 48.18,26.69 ; 47.8,28.5 47.8,29.53 47.61,29.72
  F.FR4 w1: 46.45,24.24 46.68,24.01
  B.FR4 w0.3: v2(38.44,39.86) 38.27,39.69 38.27,38.13 38.72,37.68 38.74,37.68
  B.FR4 w0.4: 46.66,12.42 46.53,12.29 46.53,11.22 ; v2(65.95,3.28) 60.1,3.28 58.53,4.85 58.53,8.98 58.54,8.99 v2(58.54,10.42) ; 46.66,14.64 46.66,13.95
  B.FR4 w0.5: 46.53,11.22 46.73,11.02 46.73,10.34 ; 46.66,13.95 46.66,12.42 46.19,11.95 46.19,11.6 46.53,11.26 ; 38.74,37.68 41.49,34.93 41.49,34.9 45.84,34.9 46.38,34.36 46.38,30.96 47.13,30.21 v2(47.13,30.2) ; v2(46.06,19.81) 46.22,19.65 46.57,19.65 ; 46.57,19.65 v2(46.61,19.65) ; 46.57,19.65 v2(46.61,19.65) ; v2(46.61,19.65) 46.61,19.34
  B.FR4 w0.79: 46.61,19.34 46.61,18.82 45.84,18.05 45.84,17.44 46.66,16.62 46.66,13.08
  B2.RO w0.3: C398.2 38.03,40.27 v2(38.44,39.86) 38.46,39.86 C397.2 ; IC1.1 44.45,8.33 44.44,8.34 44.46,8.34 ; IC1.4 45.98,8.05 46.13,8.05 46.67,8.59